# KiCad board kimotor-project.kicad_pcb (continued)
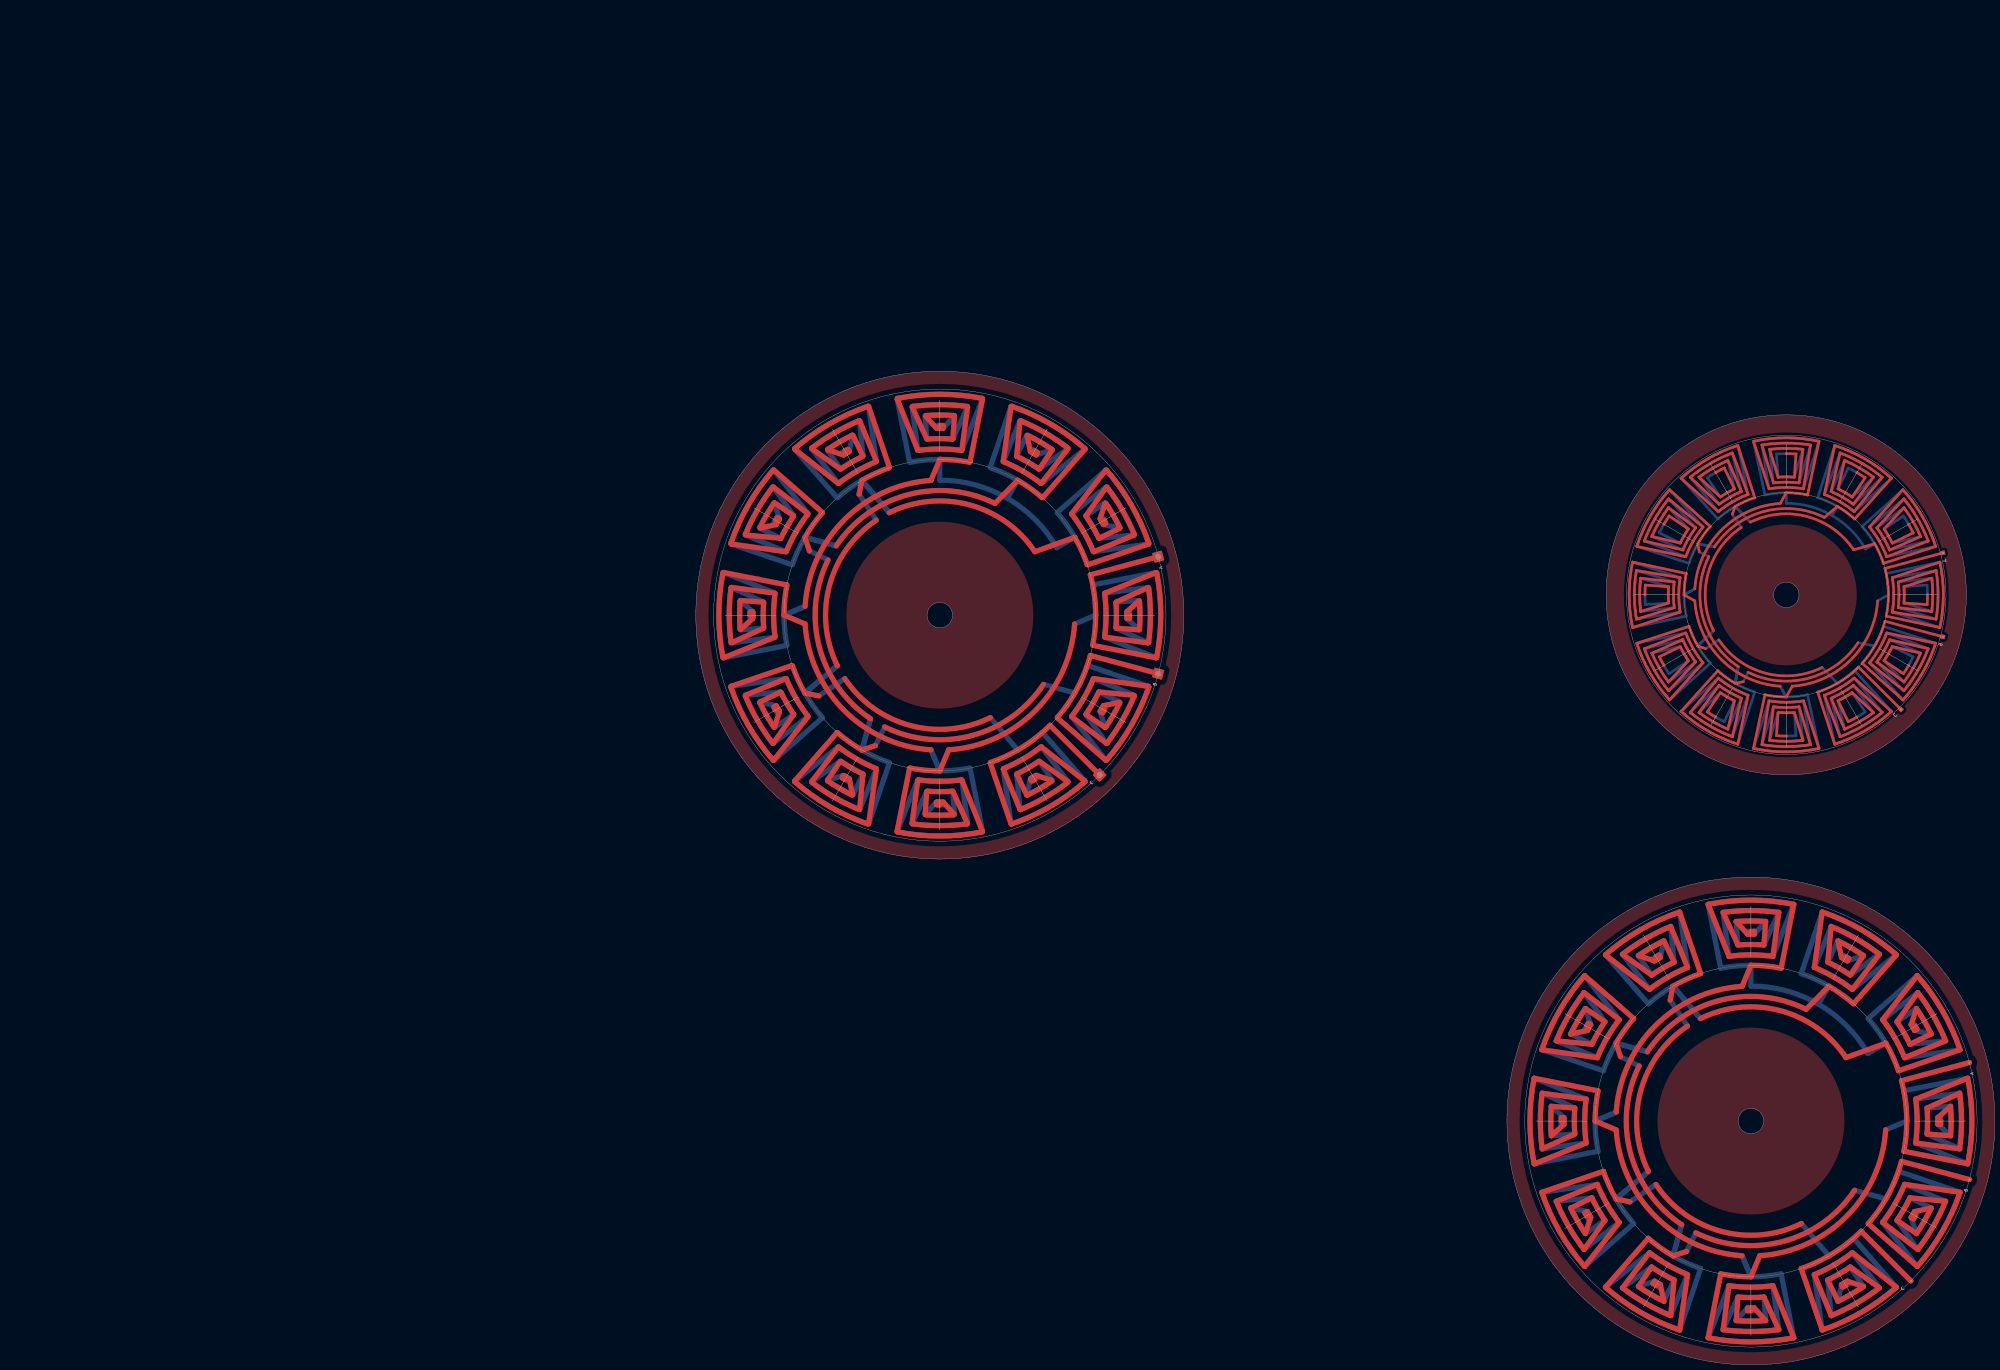
[diagram p0: board, top side]
## Routing (per net, layer and track width the routed paths; a pad name or vN(x,y) marks a point on that pad's centre or on a via; arc(x,y) is an arc through that point) (continued)
  In5.Cu w1.034: -142.37,452.76 -125.23,455.54 ; -142.37,452.76 -125.23,455.54 ; -142.37,452.76 -125.72,455.46 ; -142.37,452.76 -125.72,455.46 ; -142.37,452.76 -125.23,455.54 ; -142.37,452.76 -125.23,455.54 ; -142.37,452.76 -125.23,455.54 ; -142.37,452.76 -125.23,455.54 ; -142.37,452.76 -125.23,455.54 ; -142.37,452.76 -125.23,455.54 ; -142.37,452.76 -125.23,455.54 ; -142.37,452.76 -125.72,455.46 ; -142.37,452.76 arc(-141.82,446.02) -142.37,439.28 ; -142.37,452.76 arc(-141.82,446.02) -142.37,439.28 ; -142.37,452.76 arc(-141.82,446.02) -142.37,439.28 ; -142.37,452.76 arc(-141.82,446.02) -142.37,439.28 ; -142.37,452.76 arc(-141.82,446.02) -142.37,439.28 ; -142.37,452.76 arc(-141.82,446.02) -142.37,439.28 ; -142.37,452.76 arc(-141.82,446.02) -142.37,439.28 ; -142.37,452.76 arc(-141.82,446.02) -142.37,439.28 ; -142.37,452.76 arc(-141.82,446.02) -142.37,439.28 ; -142.37,452.76 arc(-141.82,446.02) -142.37,439.28 ; -142.37,452.76 arc(-141.82,446.02) -142.37,439.28 ; -142.37,452.76 arc(-141.82,446.02) -142.37,439.28 ; -125.23,455.54 arc(-124.46,446.02) -125.23,436.5 ; -125.23,455.54 arc(-124.46,446.02) -125.23,436.5 ; -125.23,455.54 arc(-124.46,446.02) -125.23,436.5 ; -125.23,455.54 arc(-124.46,446.02) -125.23,436.5 ; -125.23,455.54 arc(-124.46,446.02) -125.23,436.5 ; -125.23,455.54 arc(-124.46,446.02) -125.23,436.5 ; -125.23,455.54 arc(-124.46,446.02) -125.23,436.5 ; -125.23,455.54 arc(-124.46,446.02) -125.23,436.5 ; -125.23,455.54 arc(-124.46,446.02) -125.23,436.5 ; -140.04,451.04 -126.9,452.55 ; -140.04,451.04 -126.9,452.55 ; -140.04,451.04 -126.9,452.55 ; -140.04,451.04 -127.4,452.49 ; -140.04,451.04 -126.9,452.55 ; -140.04,451.04 -126.9,452.55 ; -140.04,451.04 -127.4,452.49 ; -140.04,451.04 -126.9,452.55 ; -140.04,451.04 -127.4,452.49 ; -140.04,451.04 -126.9,452.55 ; -140.04,451.04 -126.9,452.55 ; -140.04,451.04 -126.9,452.55 ; -140.04,451.04 arc(-139.75,446.02) -140.04,441 ; -140.04,451.04 arc(-139.75,446.02) -140.04,441 ; -140.04,451.04 arc(-139.75,446.02) -140.04,441 ; -140.04,451.04 arc(-139.75,446.02) -140.04,441 ; -140.04,451.04 arc(-139.75,446.02) -140.04,441 ; -140.04,451.04 arc(-139.75,446.02) -140.04,441 ; -140.04,451.04 arc(-139.75,446.02) -140.04,441 ; -140.04,451.04 arc(-139.75,446.02) -140.04,441 ; -140.04,451.04 arc(-139.75,446.02) -140.04,441 ; -140.04,451.04 arc(-139.75,446.02) -140.04,441 ; -140.04,451.04 arc(-139.75,446.02) -140.04,441 ; -140.04,451.04 arc(-139.75,446.02) -140.04,441 ; -126.9,452.55 arc(-126.53,446.02) -126.9,439.49 ; -126.9,452.55 arc(-126.53,446.02) -126.9,439.49 ; -126.9,452.55 arc(-126.53,446.02) -126.9,439.49 ; -126.9,452.55 arc(-126.53,446.02) -126.9,439.49 ; -126.9,452.55 arc(-126.53,446.02) -126.9,439.49 ; -126.9,452.55 arc(-126.53,446.02) -126.9,439.49 ; -126.9,452.55 arc(-126.53,446.02) -126.9,439.49 ; -126.9,452.55 arc(-126.53,446.02) -126.9,439.49 ; -126.9,452.55 arc(-126.53,446.02) -126.9,439.49 ; -157.62,410.56 -149.74,399.93 ; -157.62,410.56 -149.74,399.93 ; -157.62,410.56 -150.04,400.33 ; -157.62,410.56 -149.74,399.93 ; -157.62,410.56 -149.74,399.93 ; -157.62,410.56 -149.74,399.93 ; -157.62,410.56 -149.74,399.93 ; -157.62,410.56 -150.04,400.33 ; -157.62,410.56 -149.74,399.93 ; -157.62,410.56 -149.74,399.93 ; -157.62,410.56 -149.74,399.93 ; -157.62,410.56 -150.04,400.33 ; -157.62,410.56 arc(-161.82,407.8) -166.31,405.54 ; -157.62,410.56 arc(-161.82,407.8) -166.31,405.54 ; -157.62,410.56 arc(-161.82,407.8) -166.31,405.54 ; -157.62,410.56 arc(-161.82,407.8) -166.31,405.54 ; -157.62,410.56 arc(-161.82,407.8) -166.31,405.54 ; -157.62,410.56 arc(-161.82,407.8) -166.31,405.54 ; -157.62,410.56 arc(-161.82,407.8) -166.31,405.54 ; -157.62,410.56 arc(-161.82,407.8) -166.31,405.54 ; -157.62,410.56 arc(-161.82,407.8) -166.31,405.54 ; -157.62,410.56 arc(-161.82,407.8) -166.31,405.54 ; -157.62,410.56 arc(-161.82,407.8) -166.31,405.54 ; -157.62,410.56 arc(-161.82,407.8) -166.31,405.54 ; -149.74,399.93 arc(-155.21,396.34) -161.05,393.4 ; -149.74,399.93 arc(-155.21,396.34) -161.05,393.4 ; -149.74,399.93 arc(-155.21,396.34) -161.05,393.4 ; -149.74,399.93 arc(-155.21,396.34) -161.05,393.4 ; -149.74,399.93 arc(-155.21,396.34) -161.05,393.4 ; -149.74,399.93 arc(-155.21,396.34) -161.05,393.4 ; -149.74,399.93 arc(-155.21,396.34) -161.05,393.4 ; -149.74,399.93 arc(-155.21,396.34) -161.05,393.4 ; -149.74,399.93 arc(-155.21,396.34) -161.05,393.4 ; -229.2,486.87 -216.48,472.62 ; -229.2,486.87 -216.48,472.62 ; -229.2,486.87 -216.48,472.62 ; -229.2,486.87 arc(-236.72,476.52) -241.92,464.83 ; -229.2,486.87 arc(-236.72,476.52) -241.92,464.83 ; -229.2,486.87 arc(-236.72,476.52) -241.92,464.83 ; -216.48,472.62 -229.57,487.2 ; -216.48,472.62 -229.57,487.2 ; -216.48,472.62 -229.57,487.2 ; -216.48,472.62 -229.57,487.2 ; -216.48,472.62 -229.57,487.2 ; -216.48,472.62 -229.57,487.2 ; -216.48,472.62 -229.57,487.2 ; -216.48,472.62 -229.57,487.2 ; -216.48,472.62 -229.57,487.2 ; -216.48,472.62 arc(-220.32,467.06) -223.22,460.95 ; -216.48,472.62 arc(-220.32,467.06) -223.22,460.95 ; -216.48,472.62 arc(-220.32,467.06) -223.22,460.95 ; -216.48,472.62 arc(-220.32,467.06) -223.22,460.95 ; -216.48,472.62 arc(-220.32,467.06) -223.22,460.95 ; -216.48,472.62 arc(-220.32,467.06) -223.22,460.95 ; -216.48,472.62 arc(-220.32,467.06) -223.22,460.95 ; -216.48,472.62 arc(-220.32,467.06) -223.22,460.95 ; -216.48,472.62 arc(-220.32,467.06) -223.22,460.95 ; -216.48,472.62 arc(-220.32,467.06) -223.22,460.95 ; -216.48,472.62 arc(-220.32,467.06) -223.22,460.95 ; -216.48,472.62 arc(-220.32,467.06) -223.22,460.95 ; -161.05,393.4 -163.61,404.51 ; -161.05,393.4 -163.61,404.51 ; -161.05,393.4 -163.61,404.51 ; -161.05,393.4 -163.61,404.51 ; -161.05,393.4 -163.61,404.51 ; -161.05,393.4 -163.61,404.51 ; -161.05,393.4 -163.61,404.51 ; -161.05,393.4 -163.61,404.51 ; -161.05,393.4 -163.61,404.51 ; -163.61,404.51 -161.25,393.86 ; -163.61,404.51 -161.25,393.86 ; -163.61,404.51 -161.25,393.86 ; -163.61,404.51 arc(-160.79,406.01) -158.08,407.7 ; -163.61,404.51 arc(-160.79,406.01) -158.08,407.7 ; -163.61,404.51 arc(-160.79,406.01) -158.08,407.7 ; -163.61,404.51 arc(-160.79,406.01) -158.08,407.7 ; -163.61,404.51 arc(-160.79,406.01) -158.08,407.7 ; -163.61,404.51 arc(-160.79,406.01) -158.08,407.7 ; -163.61,404.51 arc(-160.79,406.01) -158.08,407.7 ; -163.61,404.51 arc(-160.79,406.01) -158.08,407.7 ; -163.61,404.51 arc(-160.79,406.01) -158.08,407.7 ; -163.61,404.51 arc(-160.79,406.01) -158.08,407.7 ; -163.61,404.51 arc(-160.79,406.01) -158.08,407.7 ; -163.61,404.51 arc(-160.79,406.01) -158.08,407.7 ; -239.46,424.94 -224.38,428.45 ; -239.46,424.94 -224.38,428.45 ; -239.46,424.94 -224.38,428.45 ; -239.46,424.94 -224.38,428.45 ; -239.46,424.94 -224.38,428.45 ; -239.46,424.94 -224.38,428.45 ; -239.46,424.94 -224.38,428.45 ; -239.46,424.94 -224.38,428.45 ; -239.46,424.94 -224.38,428.45 ; -239.46,424.94 arc(-235.36,416.31) -229.93,408.44 ; -239.46,424.94 arc(-235.36,416.31) -229.93,408.44 ; -239.46,424.94 arc(-235.36,416.31) -229.93,408.44 ; -239.46,424.94 arc(-235.36,416.31) -229.93,408.44 ; -239.46,424.94 arc(-235.36,416.31) -229.93,408.44 ; -239.46,424.94 arc(-235.36,416.31) -229.93,408.44 ; -239.46,424.94 arc(-235.36,416.31) -229.93,408.44 ; -239.46,424.94 arc(-235.36,416.31) -229.93,408.44 ; -239.46,424.94 arc(-235.36,416.31) -229.93,408.44 ; -224.38,428.45 -238.99,425.11 ; -224.38,428.45 -238.99,425.11 ; -224.38,428.45 -238.99,425.11 ; -224.38,428.45 arc(-222.11,423.95) -219.35,419.75 ; -224.38,428.45 arc(-222.11,423.95) -219.35,419.75 ; -224.38,428.45 arc(-222.11,423.95) -219.35,419.75 ; -224.38,428.45 arc(-222.11,423.95) -219.35,419.75 ; -224.38,428.45 arc(-222.11,423.95) -219.35,419.75 ; -224.38,428.45 arc(-222.11,423.95) -219.35,419.75 ; -224.38,428.45 arc(-222.11,423.95) -219.35,419.75 ; -224.38,428.45 arc(-222.11,423.95) -219.35,419.75 ; -224.38,428.45 arc(-222.11,423.95) -219.35,419.75 ; -224.38,428.45 arc(-222.11,423.95) -219.35,419.75 ; -224.38,428.45 arc(-222.11,423.95) -219.35,419.75 ; -224.38,428.45 arc(-222.11,423.95) -219.35,419.75 ; -145.84,433.69 -125.39,427.05 ; -145.84,433.69 -125.39,427.05 ; -145.84,433.69 -125.39,427.05 ; -145.84,433.69 -125.39,427.05 ; -145.84,433.69 -125.39,427.05 ; -145.84,433.69 -125.86,427.21 ; -145.84,433.69 -125.39,427.05 ; -145.84,433.69 -125.39,427.05 ; -145.84,433.69 -125.86,427.21 ; -145.84,433.69 -125.86,427.21 ; -145.84,433.69 -125.39,427.05 ; -145.84,433.69 -125.39,427.05 ; -145.84,433.69 arc(-152.16,421.67) -149.25,426.02 ; -145.84,433.69 arc(-152.16,421.67) -149.25,426.02 ; -145.84,433.69 arc(-152.16,421.67) -149.25,426.02 ; -145.84,433.69 arc(-152.16,421.67) -149.25,426.02 ; -145.84,433.69 arc(-152.16,421.67) -149.25,426.02 ; -145.84,433.69 arc(-152.16,421.67) -149.25,426.02 ; -145.84,433.69 arc(-152.16,421.67) -149.25,426.02 ; -145.84,433.69 arc(-152.16,421.67) -149.25,426.02 ; -145.84,433.69 arc(-152.16,421.67) -149.25,426.02 ; -145.84,433.69 arc(-152.16,421.67) -149.25,426.02 ; -145.84,433.69 arc(-152.16,421.67) -149.25,426.02 ; -145.84,433.69 arc(-152.16,421.67) -149.25,426.02 ; -125.39,427.05 arc(-130.63,415.27) -138.21,404.84 ; -125.39,427.05 arc(-130.63,415.27) -138.21,404.84 ; -125.39,427.05 arc(-130.63,415.27) -138.21,404.84 ; -125.39,427.05 arc(-130.63,415.27) -138.21,404.84 ; -125.39,427.05 arc(-130.63,415.27) -138.21,404.84 ; -125.39,427.05 arc(-130.63,415.27) -138.21,404.84 ; -125.39,427.05 arc(-130.63,415.27) -138.21,404.84 ; -125.39,427.05 arc(-130.63,415.27) -138.21,404.84 ; -125.39,427.05 arc(-130.63,415.27) -138.21,404.84 ; -198.82,406.69 -204.98,390.46 ; -198.82,406.69 -204.98,390.46 ; -198.82,406.69 -204.98,390.46 ; -198.82,406.69 -204.98,390.46 ; -198.82,406.69 -204.8,390.92 ; -198.82,406.69 -204.98,390.46 ; -198.82,406.69 -204.98,390.46 ; -198.82,406.69 -204.98,390.46 ; -198.82,406.69 -204.98,390.46 ; -198.82,406.69 -204.8,390.92 ; -198.82,406.69 -204.98,390.46 ; -198.82,406.69 -204.8,390.92 ; -198.82,406.69 arc(-204.92,409.59) -210.49,413.43 ; -198.82,406.69 arc(-204.92,409.59) -210.49,413.43 ; -198.82,406.69 arc(-204.92,409.59) -210.49,413.43 ; -198.82,406.69 arc(-204.92,409.59) -210.49,413.43 ; -198.82,406.69 arc(-204.92,409.59) -210.49,413.43 ; -198.82,406.69 arc(-204.92,409.59) -210.49,413.43 ; -198.82,406.69 arc(-204.92,409.59) -210.49,413.43 ; -198.82,406.69 arc(-204.92,409.59) -210.49,413.43 ; -198.82,406.69 arc(-204.92,409.59) -210.49,413.43 ; -198.82,406.69 arc(-204.92,409.59) -210.49,413.43 ; -198.82,406.69 arc(-204.92,409.59) -210.49,413.43 ; -198.82,406.69 arc(-204.92,409.59) -210.49,413.43 ; -204.98,390.46 arc(-213.61,394.55) -221.47,399.98 ; -204.98,390.46 arc(-213.61,394.55) -221.47,399.98 ; -204.98,390.46 arc(-213.61,394.55) -221.47,399.98 ; -204.98,390.46 arc(-213.61,394.55) -221.47,399.98 ; -204.98,390.46 arc(-213.61,394.55) -221.47,399.98 ; -204.98,390.46 arc(-213.61,394.55) -221.47,399.98 ; -204.98,390.46 arc(-213.61,394.55) -221.47,399.98 ; -204.98,390.46 arc(-213.61,394.55) -221.47,399.98 ; -204.98,390.46 arc(-213.61,394.55) -221.47,399.98 ; -125.23,436.5 -140.04,441 ; -125.23,436.5 -140.04,441 ; -125.23,436.5 -140.04,441 ; -125.23,436.5 -140.04,441 ; -125.23,436.5 -140.04,441 ; -125.23,436.5 -140.04,441 ; -125.23,436.5 -140.04,441 ; -125.23,436.5 -140.04,441 ; -125.23,436.5 -140.04,441 ; -140.04,441 -125.72,436.58 ; -140.04,441 -125.72,436.58 ; -140.04,441 -125.72,436.58 ; -187.09,492.11 -187.68,500.69 ; -187.09,492.11 -187.72,501.19 ; -187.09,492.11 -187.72,501.19 ; -187.09,492.11 -187.72,501.19 ; -187.09,492.11 -187.72,501.19 ; -187.09,492.11 -187.68,500.69 ; -187.09,492.11 -187.68,500.69 ; -187.09,492.11 -187.72,501.19 ; -187.09,492.11 -187.72,501.19 ; -187.09,492.11 -187.72,501.19 ; -187.09,492.11 -187.72,501.19 ; -187.09,492.11 -187.72,501.19 ; -187.09,492.11 arc(-183.89,492.23) -180.69,492.11 ; -187.09,492.11 arc(-183.89,492.23) -180.69,492.11 ; -187.09,492.11 arc(-183.89,492.23) -180.69,492.11 ; -187.09,492.11 arc(-183.89,492.23) -180.69,492.11 ; -187.09,492.11 arc(-183.89,492.23) -180.69,492.11 ; -187.09,492.11 arc(-183.89,492.23) -180.69,492.11 ; -187.09,492.11 arc(-183.89,492.23) -180.69,492.11 ; -187.09,492.11 arc(-183.89,492.23) -180.69,492.11 ; -187.09,492.11 arc(-183.89,492.23) -180.69,492.11 ; -187.09,492.11 arc(-183.89,492.23) -180.69,492.11 ; -187.09,492.11 arc(-183.89,492.23) -180.69,492.11 ; -187.09,492.11 arc(-183.89,492.23) -180.69,492.11 ; -187.68,500.69 arc(-176.74,500.35) -183.89,500.82 ; -187.68,500.69 arc(-176.74,500.35) -183.89,500.82 ; -187.68,500.69 arc(-176.74,500.35) -183.89,500.82 ; -242.55,455.54 -227.74,451.04 ; -242.55,455.54 -227.74,451.04 ; -242.55,455.54 -227.74,451.04 ; -242.55,455.54 -227.74,451.04 ; -242.55,455.54 -227.74,451.04 ; -242.55,455.54 -227.74,451.04 ; -242.55,455.54 -227.74,451.04 ; -242.55,455.54 -227.74,451.04 ; -242.55,455.54 -227.74,451.04 ; -242.55,455.54 arc(-243.32,446.02) -242.55,436.5 ; -242.55,455.54 arc(-243.32,446.02) -242.55,436.5 ; -242.55,455.54 arc(-243.32,446.02) -242.55,436.5 ; -242.55,455.54 arc(-243.32,446.02) -242.55,436.5 ; -242.55,455.54 arc(-243.32,446.02) -242.55,436.5 ; -242.55,455.54 arc(-243.32,446.02) -242.55,436.5 ; -242.55,455.54 arc(-243.32,446.02) -242.55,436.5 ; -242.55,455.54 arc(-243.32,446.02) -242.55,436.5 ; -242.55,455.54 arc(-243.32,446.02) -242.55,436.5 ; -227.74,451.04 -242.06,455.46 ; -227.74,451.04 -242.06,455.46 ; -227.74,451.04 -242.06,455.46 ; -227.74,451.04 arc(-228.03,446.02) -227.74,441 ; -227.74,451.04 arc(-228.03,446.02) -227.74,441 ; -227.74,451.04 arc(-228.03,446.02) -227.74,441 ; -227.74,451.04 arc(-228.03,446.02) -227.74,441 ; -227.74,451.04 arc(-228.03,446.02) -227.74,441 ; -227.74,451.04 arc(-228.03,446.02) -227.74,441 ; -227.74,451.04 arc(-228.03,446.02) -227.74,441 ; -227.74,451.04 arc(-228.03,446.02) -227.74,441 ; -227.74,451.04 arc(-228.03,446.02) -227.74,441 ; -227.74,451.04 arc(-228.03,446.02) -227.74,441 ; -227.74,451.04 arc(-228.03,446.02) -227.74,441 ; -227.74,451.04 arc(-228.03,446.02) -227.74,441 ; -242.39,427.05 -223.22,431.1 ; -242.39,427.05 -223.22,431.1 ; -242.39,427.05 -223.22,431.1 ; -242.39,427.05 -223.22,431.1 ; -242.39,427.05 -223.22,431.1 ; -242.39,427.05 -223.22,431.1 ; -242.39,427.05 -223.22,431.1 ; -242.39,427.05 -223.22,431.1 ; -242.39,427.05 -223.22,431.1 ; -242.39,427.05 arc(-237.15,415.27) -229.57,404.84 ; -242.39,427.05 arc(-237.15,415.27) -229.57,404.84 ; -242.39,427.05 arc(-237.15,415.27) -229.57,404.84 ; -242.39,427.05 arc(-237.15,415.27) -229.57,404.84 ; -242.39,427.05 arc(-237.15,415.27) -229.57,404.84 ; -242.39,427.05 arc(-237.15,415.27) -229.57,404.84 ; -242.39,427.05 arc(-237.15,415.27) -229.57,404.84 ; -242.39,427.05 arc(-237.15,415.27) -229.57,404.84 ; -242.39,427.05 arc(-237.15,415.27) -229.57,404.84 ; -223.22,431.1 -241.92,427.21 ; -223.22,431.1 -241.92,427.21 ; -223.22,431.1 -241.92,427.21 ; -223.22,431.1 arc(-220.32,424.99) -216.48,419.42 ; -223.22,431.1 arc(-220.32,424.99) -216.48,419.42 ; -223.22,431.1 arc(-220.32,424.99) -216.48,419.42 ; -223.22,431.1 arc(-220.32,424.99) -216.48,419.42 ; -223.22,431.1 arc(-220.32,424.99) -216.48,419.42 ; -223.22,431.1 arc(-220.32,424.99) -216.48,419.42 ; -223.22,431.1 arc(-220.32,424.99) -216.48,419.42 ; -223.22,431.1 arc(-220.32,424.99) -216.48,419.42 ; -223.22,431.1 arc(-220.32,424.99) -216.48,419.42 ; -223.22,431.1 arc(-220.32,424.99) -216.48,419.42 ; -223.22,431.1 arc(-220.32,424.99) -216.48,419.42 ; -223.22,431.1 arc(-220.32,424.99) -216.48,419.42 ; -225.07,400.34 -210.49,413.43 ; -225.07,400.34 -210.49,413.43 ; -225.07,400.34 -210.49,413.43 ; -225.07,400.34 -210.49,413.43 ; -225.07,400.34 -210.49,413.43 ; -225.07,400.34 -210.49,413.43 ; -225.07,400.34 -210.49,413.43 ; -225.07,400.34 -210.49,413.43 ; -225.07,400.34 -210.49,413.43 ; -225.07,400.34 arc(-214.64,392.76) -202.86,387.52 ; -225.07,400.34 arc(-214.64,392.76) -202.86,387.52 ; -225.07,400.34 arc(-214.64,392.76) -202.86,387.52 ; -225.07,400.34 arc(-214.64,392.76) -202.86,387.52 ; -225.07,400.34 arc(-214.64,392.76) -202.86,387.52 ; -225.07,400.34 arc(-214.64,392.76) -202.86,387.52 ; -225.07,400.34 arc(-214.64,392.76) -202.86,387.52 ; -225.07,400.34 arc(-214.64,392.76) -202.86,387.52 ; -225.07,400.34 arc(-214.64,392.76) -202.86,387.52 ; -210.49,413.43 -224.74,400.72 ; -210.49,413.43 -224.74,400.72 ; -210.49,413.43 -224.74,400.72 ; -143.41,428.45 -131.27,423.18 ; -143.41,428.45 -131.27,423.18 ; -143.41,428.45 -131.73,423.38 ; -143.41,428.45 -131.27,423.18 ; -143.41,428.45 -131.73,423.38 ; -143.41,428.45 -131.27,423.18 ; -143.41,428.45 -131.27,423.18 ; -143.41,428.45 -131.27,423.18 ; -143.41,428.45 -131.27,423.18 ; -143.41,428.45 -131.27,423.18 ; -143.41,428.45 -131.73,423.38 ; -143.41,428.45 -131.27,423.18 ; -143.41,428.45 arc(-145.67,423.95) -148.43,419.75 ; -143.41,428.45 arc(-145.67,423.95) -148.43,419.75 ; -143.41,428.45 arc(-145.67,423.95) -148.43,419.75 ; -143.41,428.45 arc(-145.67,423.95) -148.43,419.75 ; -143.41,428.45 arc(-145.67,423.95) -148.43,419.75 ; -143.41,428.45 arc(-145.67,423.95) -148.43,419.75 ; -143.41,428.45 arc(-145.67,423.95) -148.43,419.75 ; -143.41,428.45 arc(-145.67,423.95) -148.43,419.75 ; -143.41,428.45 arc(-145.67,423.95) -148.43,419.75 ; -143.41,428.45 arc(-145.67,423.95) -148.43,419.75 ; -143.41,428.45 arc(-145.67,423.95) -148.43,419.75 ; -143.41,428.45 arc(-145.67,423.95) -148.43,419.75 ; -131.27,423.18 arc(-134.21,417.34) -137.8,411.87 ; -131.27,423.18 arc(-134.21,417.34) -137.8,411.87 ; -131.27,423.18 arc(-134.21,417.34) -137.8,411.87 ; -131.27,423.18 arc(-134.21,417.34) -137.8,411.87 ; -131.27,423.18 arc(-134.21,417.34) -137.8,411.87 ; -131.27,423.18 arc(-134.21,417.34) -137.8,411.87 ; -131.27,423.18 arc(-134.21,417.34) -137.8,411.87 ; -131.27,423.18 arc(-134.21,417.34) -137.8,411.87 ; -131.27,423.18 arc(-134.21,417.34) -137.8,411.87 ; -171.17,505.68 -177.15,487.55 ; -171.17,505.68 -177.15,487.55 ; -171.17,505.68 -177.15,487.55 ; -171.17,505.68 arc(-183.89,507.02) -196.61,505.68 ; -171.17,505.68 arc(-183.89,507.02) -196.61,505.68 ; -171.17,505.68 arc(-183.89,507.02) -196.61,505.68 ; -177.15,487.55 -171.07,506.17 ; -177.15,487.55 -171.07,506.17 ; -177.15,487.55 -171.07,506.17 ; -177.15,487.55 -171.07,506.17 ; -177.15,487.55 -171.07,506.17 ; -177.15,487.55 -171.07,506.17 ; -177.15,487.55 -171.07,506.17 ; -177.15,487.55 -171.07,506.17 ; -177.15,487.55 -171.07,506.17 ; -177.15,487.55 arc(-183.89,488.09) -190.63,487.55 ; -177.15,487.55 arc(-183.89,488.09) -190.63,487.55 ; -177.15,487.55 arc(-183.89,488.09) -190.63,487.55 ; -177.15,487.55 arc(-183.89,488.09) -190.63,487.55 ; -177.15,487.55 arc(-183.89,488.09) -190.63,487.55 ; -177.15,487.55 arc(-183.89,488.09) -190.63,487.55 ; -177.15,487.55 arc(-183.89,488.09) -190.63,487.55 ; -177.15,487.55 arc(-183.89,488.09) -190.63,487.55 ; -177.15,487.55 arc(-183.89,488.09) -190.63,487.55 ; -177.15,487.55 arc(-183.89,488.09) -190.63,487.55 ; -177.15,487.55 arc(-183.89,488.09) -190.63,487.55 ; -177.15,487.55 arc(-183.89,488.09) -190.63,487.55 ; -224.38,463.6 -236.51,468.87 ; -224.38,463.6 -236.51,468.87 ; -224.38,463.6 -236.05,468.67 ; -224.38,463.6 -236.05,468.67 ; -224.38,463.6 -236.51,468.87 ; -224.38,463.6 -236.51,468.87 ; -224.38,463.6 -236.05,468.67 ; -224.38,463.6 -236.51,468.87 ; -224.38,463.6 -236.51,468.87 ; -224.38,463.6 -236.51,468.87 ; -224.38,463.6 -236.51,468.87 ; -224.38,463.6 -236.51,468.87 ; -224.38,463.6 arc(-222.11,468.09) -219.35,472.3 ; -224.38,463.6 arc(-222.11,468.09) -219.35,472.3 ; -224.38,463.6 arc(-222.11,468.09) -219.35,472.3 ; -224.38,463.6 arc(-222.11,468.09) -219.35,472.3 ; -224.38,463.6 arc(-222.11,468.09) -219.35,472.3 ; -224.38,463.6 arc(-222.11,468.09) -219.35,472.3 ; -224.38,463.6 arc(-222.11,468.09) -219.35,472.3 ; -224.38,463.6 arc(-222.11,468.09) -219.35,472.3 ; -224.38,463.6 arc(-222.11,468.09) -219.35,472.3 ; -224.38,463.6 arc(-222.11,468.09) -219.35,472.3 ; -224.38,463.6 arc(-222.11,468.09) -219.35,472.3 ; -224.38,463.6 arc(-222.11,468.09) -219.35,472.3 ; -236.51,468.87 arc(-233.57,474.7) -229.98,480.17 ; -236.51,468.87 arc(-233.57,474.7) -229.98,480.17 ; -236.51,468.87 arc(-233.57,474.7) -229.98,480.17 ; -236.51,468.87 arc(-233.57,474.7) -229.98,480.17 ; -236.51,468.87 arc(-233.57,474.7) -229.98,480.17 ; -236.51,468.87 arc(-233.57,474.7) -229.98,480.17 ; -236.51,468.87 arc(-233.57,474.7) -229.98,480.17 ; -236.51,468.87 arc(-233.57,474.7) -229.98,480.17 ; -236.51,468.87 arc(-233.57,474.7) -229.98,480.17 ; -157.11,416.31 -142.71,400.34 ; -157.11,416.31 -142.71,400.34 ; -157.11,416.31 -143.04,400.72 ; -157.11,416.31 -142.71,400.34 ; -157.11,416.31 -142.71,400.34 ; -157.11,416.31 -142.71,400.34 ; -157.11,416.31 -142.71,400.34 ; -157.11,416.31 -143.04,400.72 ; -157.11,416.31 -143.04,400.72 ; -157.11,416.31 -142.71,400.34 ; -157.11,416.31 -142.71,400.34 ; -157.11,416.31 -142.71,400.34 ; -157.11,416.31 arc(-168.58,409.07) -163.89,411.38 ; -157.11,416.31 arc(-168.58,409.07) -163.89,411.38 ; -157.11,416.31 arc(-168.58,409.07) -163.89,411.38 ; -157.11,416.31 arc(-168.58,409.07) -163.89,411.38 ; -157.11,416.31 arc(-168.58,409.07) -163.89,411.38 ; -157.11,416.31 arc(-168.58,409.07) -163.89,411.38 ; -157.11,416.31 arc(-168.58,409.07) -163.89,411.38 ; -157.11,416.31 arc(-168.58,409.07) -163.89,411.38 ; -157.11,416.31 arc(-168.58,409.07) -163.89,411.38 ; -157.11,416.31 arc(-168.58,409.07) -163.89,411.38 ; -157.11,416.31 arc(-168.58,409.07) -163.89,411.38 ; -157.11,416.31 arc(-168.58,409.07) -163.89,411.38 ; -142.71,400.34 arc(-153.14,392.76) -164.92,387.52 ; -142.71,400.34 arc(-153.14,392.76) -164.92,387.52 ; -142.71,400.34 arc(-153.14,392.76) -164.92,387.52 ; -142.71,400.34 arc(-153.14,392.76) -164.92,387.52 ; -142.71,400.34 arc(-153.14,392.76) -164.92,387.52 ; -142.71,400.34 arc(-153.14,392.76) -164.92,387.52 ; -142.71,400.34 arc(-153.14,392.76) -164.92,387.52 ; -142.71,400.34 arc(-153.14,392.76) -164.92,387.52 ; -142.71,400.34 arc(-153.14,392.76) -164.92,387.52 ; -229.93,483.6 -219.35,472.3 ; -229.93,483.6 -219.35,472.3 ; -229.93,483.6 -219.35,472.3 ; -229.93,483.6 -219.35,472.3 ; -229.93,483.6 -219.35,472.3 ; -229.93,483.6 -219.35,472.3 ; -229.93,483.6 -219.35,472.3 ; -229.93,483.6 -219.35,472.3 ; -229.93,483.6 -219.35,472.3 ; -229.93,483.6 arc(-235.36,475.74) -239.46,467.11 ; -229.93,483.6 arc(-235.36,475.74) -239.46,467.11 ; -229.93,483.6 arc(-235.36,475.74) -239.46,467.11 ; -229.93,483.6 arc(-235.36,475.74) -239.46,467.11 ; -229.93,483.6 arc(-235.36,475.74) -239.46,467.11 ; -229.93,483.6 arc(-235.36,475.74) -239.46,467.11 ; -229.93,483.6 arc(-235.36,475.74) -239.46,467.11 ; -229.93,483.6 arc(-235.36,475.74) -239.46,467.11 ; -229.93,483.6 arc(-235.36,475.74) -239.46,467.11 ; -219.35,472.3 -229.55,483.28 ; -219.35,472.3 -229.55,483.28 ; -219.35,472.3 -229.55,483.28 ; -146.31,492.07 -157.62,481.49 ; -146.31,492.07 -157.62,481.49 ; -146.31,492.07 -157.62,481.49 ; -146.31,492.07 -157.62,481.49 ; -146.31,492.07 -157.62,481.49 ; -146.31,492.07 -157.62,481.49 ; -146.31,492.07 -157.62,481.49 ; -146.31,492.07 -157.62,481.49 ; -146.31,492.07 -157.62,481.49 ; -146.31,492.07 arc(-154.17,497.49) -162.8,501.59 ; -146.31,492.07 arc(-154.17,497.49) -162.8,501.59 ; -146.31,492.07 arc(-154.17,497.49) -162.8,501.59 ; -146.31,492.07 arc(-154.17,497.49) -162.8,501.59 ; -146.31,492.07 arc(-154.17,497.49) -162.8,501.59 ; -146.31,492.07 arc(-154.17,497.49) -162.8,501.59 ; -146.31,492.07 arc(-154.17,497.49) -162.8,501.59 ; -146.31,492.07 arc(-154.17,497.49) -162.8,501.59 ; -146.31,492.07 arc(-154.17,497.49) -162.8,501.59 ; -157.62,481.49 -146.63,491.68 ; -157.62,481.49 -146.63,491.68 ; -157.62,481.49 -146.63,491.68 ; -157.62,481.49 arc(-161.82,484.24) -166.31,486.51 ; -157.62,481.49 arc(-161.82,484.24) -166.31,486.51 ; -157.62,481.49 arc(-161.82,484.24) -166.31,486.51 ; -157.62,481.49 arc(-161.82,484.24) -166.31,486.51 ; -157.62,481.49 arc(-161.82,484.24) -166.31,486.51 ; -157.62,481.49 arc(-161.82,484.24) -166.31,486.51 ; -157.62,481.49 arc(-161.82,484.24) -166.31,486.51 ; -157.62,481.49 arc(-161.82,484.24) -166.31,486.51 ; -157.62,481.49 arc(-161.82,484.24) -166.31,486.51 ; -157.62,481.49 arc(-161.82,484.24) -166.31,486.51 ; -157.62,481.49 arc(-161.82,484.24) -166.31,486.51 ; -157.62,481.49 arc(-161.82,484.24) -166.31,486.51 ; -123.74,433.2 -142.37,439.28 ; -123.74,433.2 -142.37,439.28 ; -123.74,433.2 -142.37,439.28 ; -123.74,433.2 -142.37,439.28 ; -123.74,433.2 -142.37,439.28 ; -123.74,433.2 -142.37,439.28 ; -123.74,433.2 -142.37,439.28 ; -123.74,433.2 -142.37,439.28 ; -123.74,433.2 -142.37,439.28 ; -123.74,433.2 arc(-122.39,446.02) -123.74,458.85 ; -123.74,433.2 arc(-122.39,446.02) -123.74,458.85 ; -123.74,433.2 arc(-122.39,446.02) -123.74,458.85 ; -123.74,433.2 arc(-122.39,446.02) -123.74,458.85 ; -123.74,433.2 arc(-122.39,446.02) -123.74,458.85 ; -123.74,433.2 arc(-122.39,446.02) -123.74,458.85 ; -123.74,433.2 arc(-122.39,446.02) -123.74,458.85 ; -123.74,433.2 arc(-122.39,446.02) -123.74,458.85 ; -123.74,433.2 arc(-122.39,446.02) -123.74,458.85 ; -142.37,439.28 -124.23,433.3 ; -142.37,439.28 -124.23,433.3 ; -142.37,439.28 -124.23,433.3 ; -227.74,441 -240.88,439.49 ; -227.74,441 -240.39,439.55 ; -227.74,441 -240.88,439.49 ; -227.74,441 -240.39,439.55 ; -227.74,441 -240.88,439.49 ; -227.74,441 -240.88,439.49 ; -227.74,441 -240.88,439.49 ; -227.74,441 -240.39,439.55 ; -227.74,441 -240.88,439.49 ; -227.74,441 -240.88,439.49 ; -227.74,441 -240.88,439.49 ; -227.74,441 -240.88,439.49 ; -240.88,439.49 arc(-241.25,446.02) -240.88,452.55 ; -240.88,439.49 arc(-241.25,446.02) -240.88,452.55 ; -240.88,439.49 arc(-241.25,446.02) -240.88,452.55 ; -240.88,439.49 arc(-241.25,446.02) -240.88,452.55 ; -240.88,439.49 arc(-241.25,446.02) -240.88,452.55 ; -240.88,439.49 arc(-241.25,446.02) -240.88,452.55 ; -240.88,439.49 arc(-241.25,446.02) -240.88,452.55 ; -240.88,439.49 arc(-241.25,446.02) -240.88,452.55 ; -240.88,439.49 arc(-241.25,446.02) -240.88,452.55 ; -221.94,458.36 -242.39,464.99 ; -221.94,458.36 -241.92,464.83 ; -221.94,458.36 -242.39,464.99 ; -221.94,458.36 -242.39,464.99 ; -221.94,458.36 -242.39,464.99 ; -221.94,458.36 -242.39,464.99 ; -221.94,458.36 -242.39,464.99 ; -221.94,458.36 -242.39,464.99 ; -221.94,458.36 -242.39,464.99 ; -221.94,458.36 -241.92,464.83 ; -221.94,458.36 -242.39,464.99 ; -221.94,458.36 -241.92,464.83 ; -221.94,458.36 arc(-215.62,470.37) -218.53,466.02 ; -221.94,458.36 arc(-215.62,470.37) -218.53,466.02 ; -221.94,458.36 arc(-215.62,470.37) -218.53,466.02 ; -221.94,458.36 arc(-215.62,470.37) -218.53,466.02 ; -221.94,458.36 arc(-215.62,470.37) -218.53,466.02 ; -221.94,458.36 arc(-215.62,470.37) -218.53,466.02 ; -221.94,458.36 arc(-215.62,470.37) -218.53,466.02 ; -221.94,458.36 arc(-215.62,470.37) -218.53,466.02 ; -221.94,458.36 arc(-215.62,470.37) -218.53,466.02 ; -221.94,458.36 arc(-215.62,470.37) -218.53,466.02 ; -221.94,458.36 arc(-215.62,470.37) -218.53,466.02 ; -221.94,458.36 arc(-215.62,470.37) -218.53,466.02 ; -242.39,464.99 arc(-237.15,476.77) -229.57,487.2 ; -242.39,464.99 arc(-237.15,476.77) -229.57,487.2 ; -242.39,464.99 arc(-237.15,476.77) -229.57,487.2 ; -242.39,464.99 arc(-237.15,476.77) -229.57,487.2 ; -242.39,464.99 arc(-237.15,476.77) -229.57,487.2 ; -242.39,464.99 arc(-237.15,476.77) -229.57,487.2 ; -242.39,464.99 arc(-237.15,476.77) -229.57,487.2 ; -242.39,464.99 arc(-237.15,476.77) -229.57,487.2 ; -242.39,464.99 arc(-237.15,476.77) -229.57,487.2 ; -240.88,452.55 -229.98,449.22 ; -240.88,452.55 -229.98,449.22 ; -240.88,452.55 -229.98,449.22 ; -240.88,452.55 -229.98,449.22 ; -240.88,452.55 -229.98,449.22 ; -240.88,452.55 -229.98,449.22 ; -240.88,452.55 -229.98,449.22 ; -240.88,452.55 -229.98,449.22 ; -240.88,452.55 -229.98,449.22 ; -229.98,449.22 -240.39,452.49 ; -229.98,449.22 -240.39,452.49 ; -229.98,449.22 -240.39,452.49 ; -229.98,449.22 arc(-230.09,446.02) -229.98,442.82 ; -229.98,449.22 arc(-230.09,446.02) -229.98,442.82 ; -229.98,449.22 arc(-230.09,446.02) -229.98,442.82 ; -229.98,449.22 arc(-230.09,446.02) -229.98,442.82 ; -229.98,449.22 arc(-230.09,446.02) -229.98,442.82 ; -229.98,449.22 arc(-230.09,446.02) -229.98,442.82 ; -229.98,449.22 arc(-230.09,446.02) -229.98,442.82 ; -229.98,449.22 arc(-230.09,446.02) -229.98,442.82 ; -229.98,449.22 arc(-230.09,446.02) -229.98,442.82 ; -229.98,449.22 arc(-230.09,446.02) -229.98,442.82 ; -229.98,449.22 arc(-230.09,446.02) -229.98,442.82 ; -229.98,449.22 arc(-230.09,446.02) -229.98,442.82 ; -210.49,478.61 -221.47,492.07 ; -210.49,478.61 -221.47,492.07 ; -210.49,478.61 -221.47,492.07 ; -210.49,478.61 -221.15,491.68 ; -210.49,478.61 -221.47,492.07 ; -210.49,478.61 -221.47,492.07 ; -210.49,478.61 -221.15,491.68 ; -210.49,478.61 -221.15,491.68 ; -210.49,478.61 -221.47,492.07 ; -210.49,478.61 -221.47,492.07 ; -210.49,478.61 -221.47,492.07 ; -210.49,478.61 -221.47,492.07 ; -210.49,478.61 arc(-204.92,482.45) -198.82,485.35 ; -210.49,478.61 arc(-204.92,482.45) -198.82,485.35 ; -210.49,478.61 arc(-204.92,482.45) -198.82,485.35 ; -210.49,478.61 arc(-204.92,482.45) -198.82,485.35 ; -210.49,478.61 arc(-204.92,482.45) -198.82,485.35 ; -210.49,478.61 arc(-204.92,482.45) -198.82,485.35 ; -210.49,478.61 arc(-204.92,482.45) -198.82,485.35 ; -210.49,478.61 arc(-204.92,482.45) -198.82,485.35 ; -210.49,478.61 arc(-204.92,482.45) -198.82,485.35 ; -210.49,478.61 arc(-204.92,482.45) -198.82,485.35 ; -210.49,478.61 arc(-204.92,482.45) -198.82,485.35 ; -210.49,478.61 arc(-204.92,482.45) -198.82,485.35 ; -221.47,492.07 arc(-213.61,497.49) -204.98,501.59 ; -221.47,492.07 arc(-213.61,497.49) -204.98,501.59 ; -221.47,492.07 arc(-213.61,497.49) -204.98,501.59 ; -221.47,492.07 arc(-213.61,497.49) -204.98,501.59 ; -221.47,492.07 arc(-213.61,497.49) -204.98,501.59 ; -221.47,492.07 arc(-213.61,497.49) -204.98,501.59 ; -221.47,492.07 arc(-213.61,497.49) -204.98,501.59 ; -221.47,492.07 arc(-213.61,497.49) -204.98,501.59 ; -221.47,492.07 arc(-213.61,497.49) -204.98,501.59 ; -193.41,387.36 -188.91,402.17 ; -193.41,387.36 -188.91,402.17 ; -193.41,387.36 -188.91,402.17 ; -193.41,387.36 -188.91,402.17 ; -193.41,387.36 -188.91,402.17 ; -193.41,387.36 -188.91,402.17 ; -193.41,387.36 -188.91,402.17 ; -193.41,387.36 -188.91,402.17 ; -193.41,387.36 -188.91,402.17 ; -193.41,387.36 arc(-183.89,386.59) -174.37,387.36 ; -193.41,387.36 arc(-183.89,386.59) -174.37,387.36 ; -193.41,387.36 arc(-183.89,386.59) -174.37,387.36 ; -193.41,387.36 arc(-183.89,386.59) -174.37,387.36 ; -193.41,387.36 arc(-183.89,386.59) -174.37,387.36 ; -193.41,387.36 arc(-183.89,386.59) -174.37,387.36 ; -193.41,387.36 arc(-183.89,386.59) -174.37,387.36 ; -193.41,387.36 arc(-183.89,386.59) -174.37,387.36 ; -193.41,387.36 arc(-183.89,386.59) -174.37,387.36 ; -188.91,402.17 -193.33,387.85 ; -188.91,402.17 -193.33,387.85 ; -188.91,402.17 -193.33,387.85 ; -188.91,402.17 arc(-183.89,401.89) -178.87,402.17 ; -188.91,402.17 arc(-183.89,401.89) -178.87,402.17 ; -188.91,402.17 arc(-183.89,401.89) -178.87,402.17 ; -188.91,402.17 arc(-183.89,401.89) -178.87,402.17 ; -188.91,402.17 arc(-183.89,401.89) -178.87,402.17 ; -188.91,402.17 arc(-183.89,401.89) -178.87,402.17 ; -188.91,402.17 arc(-183.89,401.89) -178.87,402.17 ; -188.91,402.17 arc(-183.89,401.89) -178.87,402.17 ; -188.91,402.17 arc(-183.89,401.89) -178.87,402.17 ; -188.91,402.17 arc(-183.89,401.89) -178.87,402.17 ; -188.91,402.17 arc(-183.89,401.89) -178.87,402.17 ; -188.91,402.17 arc(-183.89,401.89) -178.87,402.17 ; -158.08,407.7 -153,400.16 ; -158.08,407.7 -153,400.16 ; -158.08,407.7 -153.27,400.58 ; -158.08,407.7 -153,400.16 ; -158.08,407.7 -153,400.16 ; -158.08,407.7 -153.27,400.58 ; -158.08,407.7 -153,400.16 ; -158.08,407.7 -153.27,400.58 ; -158.08,407.7 -153,400.16 ; -158.08,407.7 -153,400.16 ; -158.08,407.7 -153,400.16 ; -158.08,407.7 -153,400.16 ; -153,400.16 arc(-162.73,394.93) -156.24,398.13 ; -153,400.16 arc(-162.73,394.93) -156.24,398.13 ; -153,400.16 arc(-162.73,394.93) -156.24,398.13 ; -153,400.16 arc(-162.73,394.93) -156.24,398.13 ; -153,400.16 arc(-162.73,394.93) -156.24,398.13 ; -153,400.16 arc(-162.73,394.93) -156.24,398.13 ; -153,400.16 arc(-162.73,394.93) -156.24,398.13 ; -153,400.16 arc(-162.73,394.93) -156.24,398.13 ; -153,400.16 arc(-162.73,394.93) -156.24,398.13 ; -210.67,475.73 -225.07,491.7 ; -210.67,475.73 -225.07,491.7 ; -210.67,475.73 -225.07,491.7 ; -210.67,475.73 -225.07,491.7 ; -210.67,475.73 -224.74,491.33 ; -210.67,475.73 -225.07,491.7 ; -210.67,475.73 -224.74,491.33 ; -210.67,475.73 -225.07,491.7 ; -210.67,475.73 -225.07,491.7 ; -210.67,475.73 -225.07,491.7 ; -210.67,475.73 -225.07,491.7 ; -210.67,475.73 -224.74,491.33 ; -210.67,475.73 arc(-199.2,482.98) -203.89,480.66 ; -210.67,475.73 arc(-199.2,482.98) -203.89,480.66 ; -210.67,475.73 arc(-199.2,482.98) -203.89,480.66 ; -210.67,475.73 arc(-199.2,482.98) -203.89,480.66 ; -210.67,475.73 arc(-199.2,482.98) -203.89,480.66 ; -210.67,475.73 arc(-199.2,482.98) -203.89,480.66 ; -210.67,475.73 arc(-199.2,482.98) -203.89,480.66 ; -210.67,475.73 arc(-199.2,482.98) -203.89,480.66 ; -210.67,475.73 arc(-199.2,482.98) -203.89,480.66 ; -210.67,475.73 arc(-199.2,482.98) -203.89,480.66 ; -210.67,475.73 arc(-199.2,482.98) -203.89,480.66 ; -210.67,475.73 arc(-199.2,482.98) -203.89,480.66 ; -225.07,491.7 arc(-214.64,499.28) -202.86,504.52 ; -225.07,491.7 arc(-214.64,499.28) -202.86,504.52 ; -225.07,491.7 arc(-214.64,499.28) -202.86,504.52 ; -225.07,491.7 arc(-214.64,499.28) -202.86,504.52 ; -225.07,491.7 arc(-214.64,499.28) -202.86,504.52 ; -225.07,491.7 arc(-214.64,499.28) -202.86,504.52 ; -225.07,491.7 arc(-214.64,499.28) -202.86,504.52 ; -225.07,491.7 arc(-214.64,499.28) -202.86,504.52 ; -225.07,491.7 arc(-214.64,499.28) -202.86,504.52 ; -174.45,504.19 -178.87,489.87 ; -174.45,504.19 -178.87,489.87 ; -174.45,504.19 -178.87,489.87 ; -174.45,504.19 arc(-183.89,504.95) -193.33,504.19 ; -174.45,504.19 arc(-183.89,504.95) -193.33,504.19 ; -174.45,504.19 arc(-183.89,504.95) -193.33,504.19 ; -178.87,489.87 -174.37,504.69 ; -178.87,489.87 -174.37,504.69 ; -178.87,489.87 -174.37,504.69 ; -178.87,489.87 -174.37,504.69 ; -178.87,489.87 -174.37,504.69 ; -178.87,489.87 -174.37,504.69 ; -178.87,489.87 -174.37,504.69 ; -178.87,489.87 -174.37,504.69 ; -178.87,489.87 -174.37,504.69 ; -178.87,489.87 arc(-183.89,490.16) -188.91,489.87 ; -178.87,489.87 arc(-183.89,490.16) -188.91,489.87 ; -178.87,489.87 arc(-183.89,490.16) -188.91,489.87 ; -178.87,489.87 arc(-183.89,490.16) -188.91,489.87 ; -178.87,489.87 arc(-183.89,490.16) -188.91,489.87 ; -178.87,489.87 arc(-183.89,490.16) -188.91,489.87 ; -178.87,489.87 arc(-183.89,490.16) -188.91,489.87 ; -178.87,489.87 arc(-183.89,490.16) -188.91,489.87 ; -178.87,489.87 arc(-183.89,490.16) -188.91,489.87 ; -178.87,489.87 arc(-183.89,490.16) -188.91,489.87 ; -178.87,489.87 arc(-183.89,490.16) -188.91,489.87 ; -178.87,489.87 arc(-183.89,490.16) -188.91,489.87 ; -171.07,506.17 arc(-183.89,507.52) -196.72,506.17 ; -171.07,506.17 arc(-183.89,507.52) -196.72,506.17 ; -171.07,506.17 arc(-183.89,507.52) -196.72,506.17 ; -171.07,506.17 arc(-183.89,507.52) -196.72,506.17 ; -171.07,506.17 arc(-183.89,507.52) -196.72,506.17 ; -171.07,506.17 arc(-183.89,507.52) -196.72,506.17 ; -171.07,506.17 arc(-183.89,507.52) -196.72,506.17 ; -171.07,506.17 arc(-183.89,507.52) -196.72,506.17 ; -171.07,506.17 arc(-183.89,507.52) -196.72,506.17 ; -177.15,404.5 -174.37,387.36 ; -177.15,404.5 -174.37,387.36 ; -177.15,404.5 -174.45,387.85 ; -177.15,404.5 -174.37,387.36 ; -177.15,404.5 -174.37,387.36 ; -177.15,404.5 -174.37,387.36 ; -177.15,404.5 -174.37,387.36 ; -177.15,404.5 -174.45,387.85 ; -177.15,404.5 -174.37,387.36 ; -177.15,404.5 -174.45,387.85 ; -177.15,404.5 -174.37,387.36 ; -177.15,404.5 -174.37,387.36 ; -177.15,404.5 arc(-183.89,403.95) -190.63,404.5 ; -177.15,404.5 arc(-183.89,403.95) -190.63,404.5 ; -177.15,404.5 arc(-183.89,403.95) -190.63,404.5 ; -177.15,404.5 arc(-183.89,403.95) -190.63,404.5 ; -177.15,404.5 arc(-183.89,403.95) -190.63,404.5 ; -177.15,404.5 arc(-183.89,403.95) -190.63,404.5 ; -177.15,404.5 arc(-183.89,403.95) -190.63,404.5 ; -177.15,404.5 arc(-183.89,403.95) -190.63,404.5 ; -177.15,404.5 arc(-183.89,403.95) -190.63,404.5 ; -177.15,404.5 arc(-183.89,403.95) -190.63,404.5 ; -177.15,404.5 arc(-183.89,403.95) -190.63,404.5 ; -177.15,404.5 arc(-183.89,403.95) -190.63,404.5 ; -222.21,420.21 -229.75,415.13 ; -222.21,420.21 -229.75,415.13 ; -222.21,420.21 -229.75,415.13 ; -222.21,420.21 -229.34,415.41 ; -222.21,420.21 -229.75,415.13 ; -222.21,420.21 -229.75,415.13 ; -222.21,420.21 -229.75,415.13 ; -222.21,420.21 -229.34,415.41 ; -222.21,420.21 -229.34,415.41 ; -222.21,420.21 -229.75,415.13 ; -222.21,420.21 -229.75,415.13 ; -222.21,420.21 -229.75,415.13 ; -222.21,420.21 arc(-223.9,422.92) -225.41,425.74 ; -222.21,420.21 arc(-223.9,422.92) -225.41,425.74 ; -222.21,420.21 arc(-223.9,422.92) -225.41,425.74 ; -222.21,420.21 arc(-223.9,422.92) -225.41,425.74 ; -222.21,420.21 arc(-223.9,422.92) -225.41,425.74 ; -222.21,420.21 arc(-223.9,422.92) -225.41,425.74 ; -222.21,420.21 arc(-223.9,422.92) -225.41,425.74 ; -222.21,420.21 arc(-223.9,422.92) -225.41,425.74 ; -222.21,420.21 arc(-223.9,422.92) -225.41,425.74 ; -222.21,420.21 arc(-223.9,422.92) -225.41,425.74 ; -222.21,420.21 arc(-223.9,422.92) -225.41,425.74 ; -222.21,420.21 arc(-223.9,422.92) -225.41,425.74 ; -229.75,415.13 arc(-234.98,424.86) -231.78,418.37 ; -229.75,415.13 arc(-234.98,424.86) -231.78,418.37 ; -229.75,415.13 arc(-234.98,424.86) -231.78,418.37 ; -229.75,415.13 arc(-234.98,424.86) -231.78,418.37 ; -229.75,415.13 arc(-234.98,424.86) -231.78,418.37 ; -229.75,415.13 arc(-234.98,424.86) -231.78,418.37 ; -229.75,415.13 arc(-234.98,424.86) -231.78,418.37 ; -229.75,415.13 arc(-234.98,424.86) -231.78,418.37 ; -229.75,415.13 arc(-234.98,424.86) -231.78,418.37 ; -137.8,411.87 -145.57,420.21 ; -137.8,411.87 -145.57,420.21 ; -137.8,411.87 -145.57,420.21 ; -137.8,411.87 -145.57,420.21 ; -137.8,411.87 -145.57,420.21 ; -137.8,411.87 -145.57,420.21 ; -137.8,411.87 -145.57,420.21 ; -137.8,411.87 -145.57,420.21 ; -137.8,411.87 -145.57,420.21 ; -145.57,420.21 -138.2,412.17 ; -145.57,420.21 -138.2,412.17 ; -145.57,420.21 -138.2,412.17 ; -145.57,420.21 arc(-143.88,422.92) -142.37,425.74 ; -145.57,420.21 arc(-143.88,422.92) -142.37,425.74 ; -145.57,420.21 arc(-143.88,422.92) -142.37,425.74 ; -145.57,420.21 arc(-143.88,422.92) -142.37,425.74 ; -145.57,420.21 arc(-143.88,422.92) -142.37,425.74 ; -145.57,420.21 arc(-143.88,422.92) -142.37,425.74 ; -145.57,420.21 arc(-143.88,422.92) -142.37,425.74 ; -145.57,420.21 arc(-143.88,422.92) -142.37,425.74 ; -145.57,420.21 arc(-143.88,422.92) -142.37,425.74 ; -145.57,420.21 arc(-143.88,422.92) -142.37,425.74 ; -145.57,420.21 arc(-143.88,422.92) -142.37,425.74 ; -145.57,420.21 arc(-143.88,422.92) -142.37,425.74 ; -144.77,454.36 -124.23,458.74 ; -144.77,454.36 -123.74,458.85 ; -144.77,454.36 -123.74,458.85 ; -144.77,454.36 -123.74,458.85 ; -144.77,454.36 -124.23,458.74 ; -144.77,454.36 -123.74,458.85 ; -144.77,454.36 -123.74,458.85 ; -144.77,454.36 -123.74,458.85 ; -144.77,454.36 -123.74,458.85 ; -144.77,454.36 -124.23,458.74 ; -144.77,454.36 -123.74,458.85 ; -144.77,454.36 -123.74,458.85 ; -144.77,454.36 arc(-144.23,440.8) -143.89,446.02 ; -144.77,454.36 arc(-144.23,440.8) -143.89,446.02 ; -144.77,454.36 arc(-144.23,440.8) -143.89,446.02 ; -144.77,454.36 arc(-144.23,440.8) -143.89,446.02 ; -144.77,454.36 arc(-144.23,440.8) -143.89,446.02 ; -144.77,454.36 arc(-144.23,440.8) -143.89,446.02 ; -144.77,454.36 arc(-144.23,440.8) -143.89,446.02 ; -144.77,454.36 arc(-144.23,440.8) -143.89,446.02 ; -144.77,454.36 arc(-144.23,440.8) -143.89,446.02 ; -144.77,454.36 arc(-144.23,440.8) -143.89,446.02 ; -144.77,454.36 arc(-144.23,440.8) -143.89,446.02 ; -144.77,454.36 arc(-144.23,440.8) -143.89,446.02 ; -124.23,458.74 arc(-122.89,446.02) -124.23,433.3 ; -124.23,458.74 arc(-122.89,446.02) -124.23,433.3 ; -124.23,458.74 arc(-122.89,446.02) -124.23,433.3 ; -154.18,472.81 -138.21,487.2 ; -154.18,472.81 -138.21,487.2 ; -154.18,472.81 -138.58,486.87 ; -154.18,472.81 -138.21,487.2 ; -154.18,472.81 -138.21,487.2 ; -154.18,472.81 -138.58,486.87 ; -154.18,472.81 -138.21,487.2 ; -154.18,472.81 -138.21,487.2 ; -154.18,472.81 -138.58,486.87 ; -154.18,472.81 -138.21,487.2 ; -154.18,472.81 -138.21,487.2 ; -154.18,472.81 -138.21,487.2 ; -154.18,472.81 arc(-146.94,461.33) -149.25,466.02 ; -154.18,472.81 arc(-146.94,461.33) -149.25,466.02 ; -154.18,472.81 arc(-146.94,461.33) 